# Altium PCB roach2.PcbDoc (part 38 of 39)
Units mil, origin at the board's own origin, x right, y up, seen from the top; angles counter-clockwise.
Board outline 12007.87 x 9606.3 mil, 16 copper layers (L1_TOP, L2_G, L3_S, L4_G, L5_S, L6_P, L7_G, L8_R, L9_R, L10_P, L11_P, L12_S, L13_P, L14_S, L15_G, L16_BOT), stack 81.651 mil thick; 1568 components, 1918 nets, 9251 pads, 6741 vias.
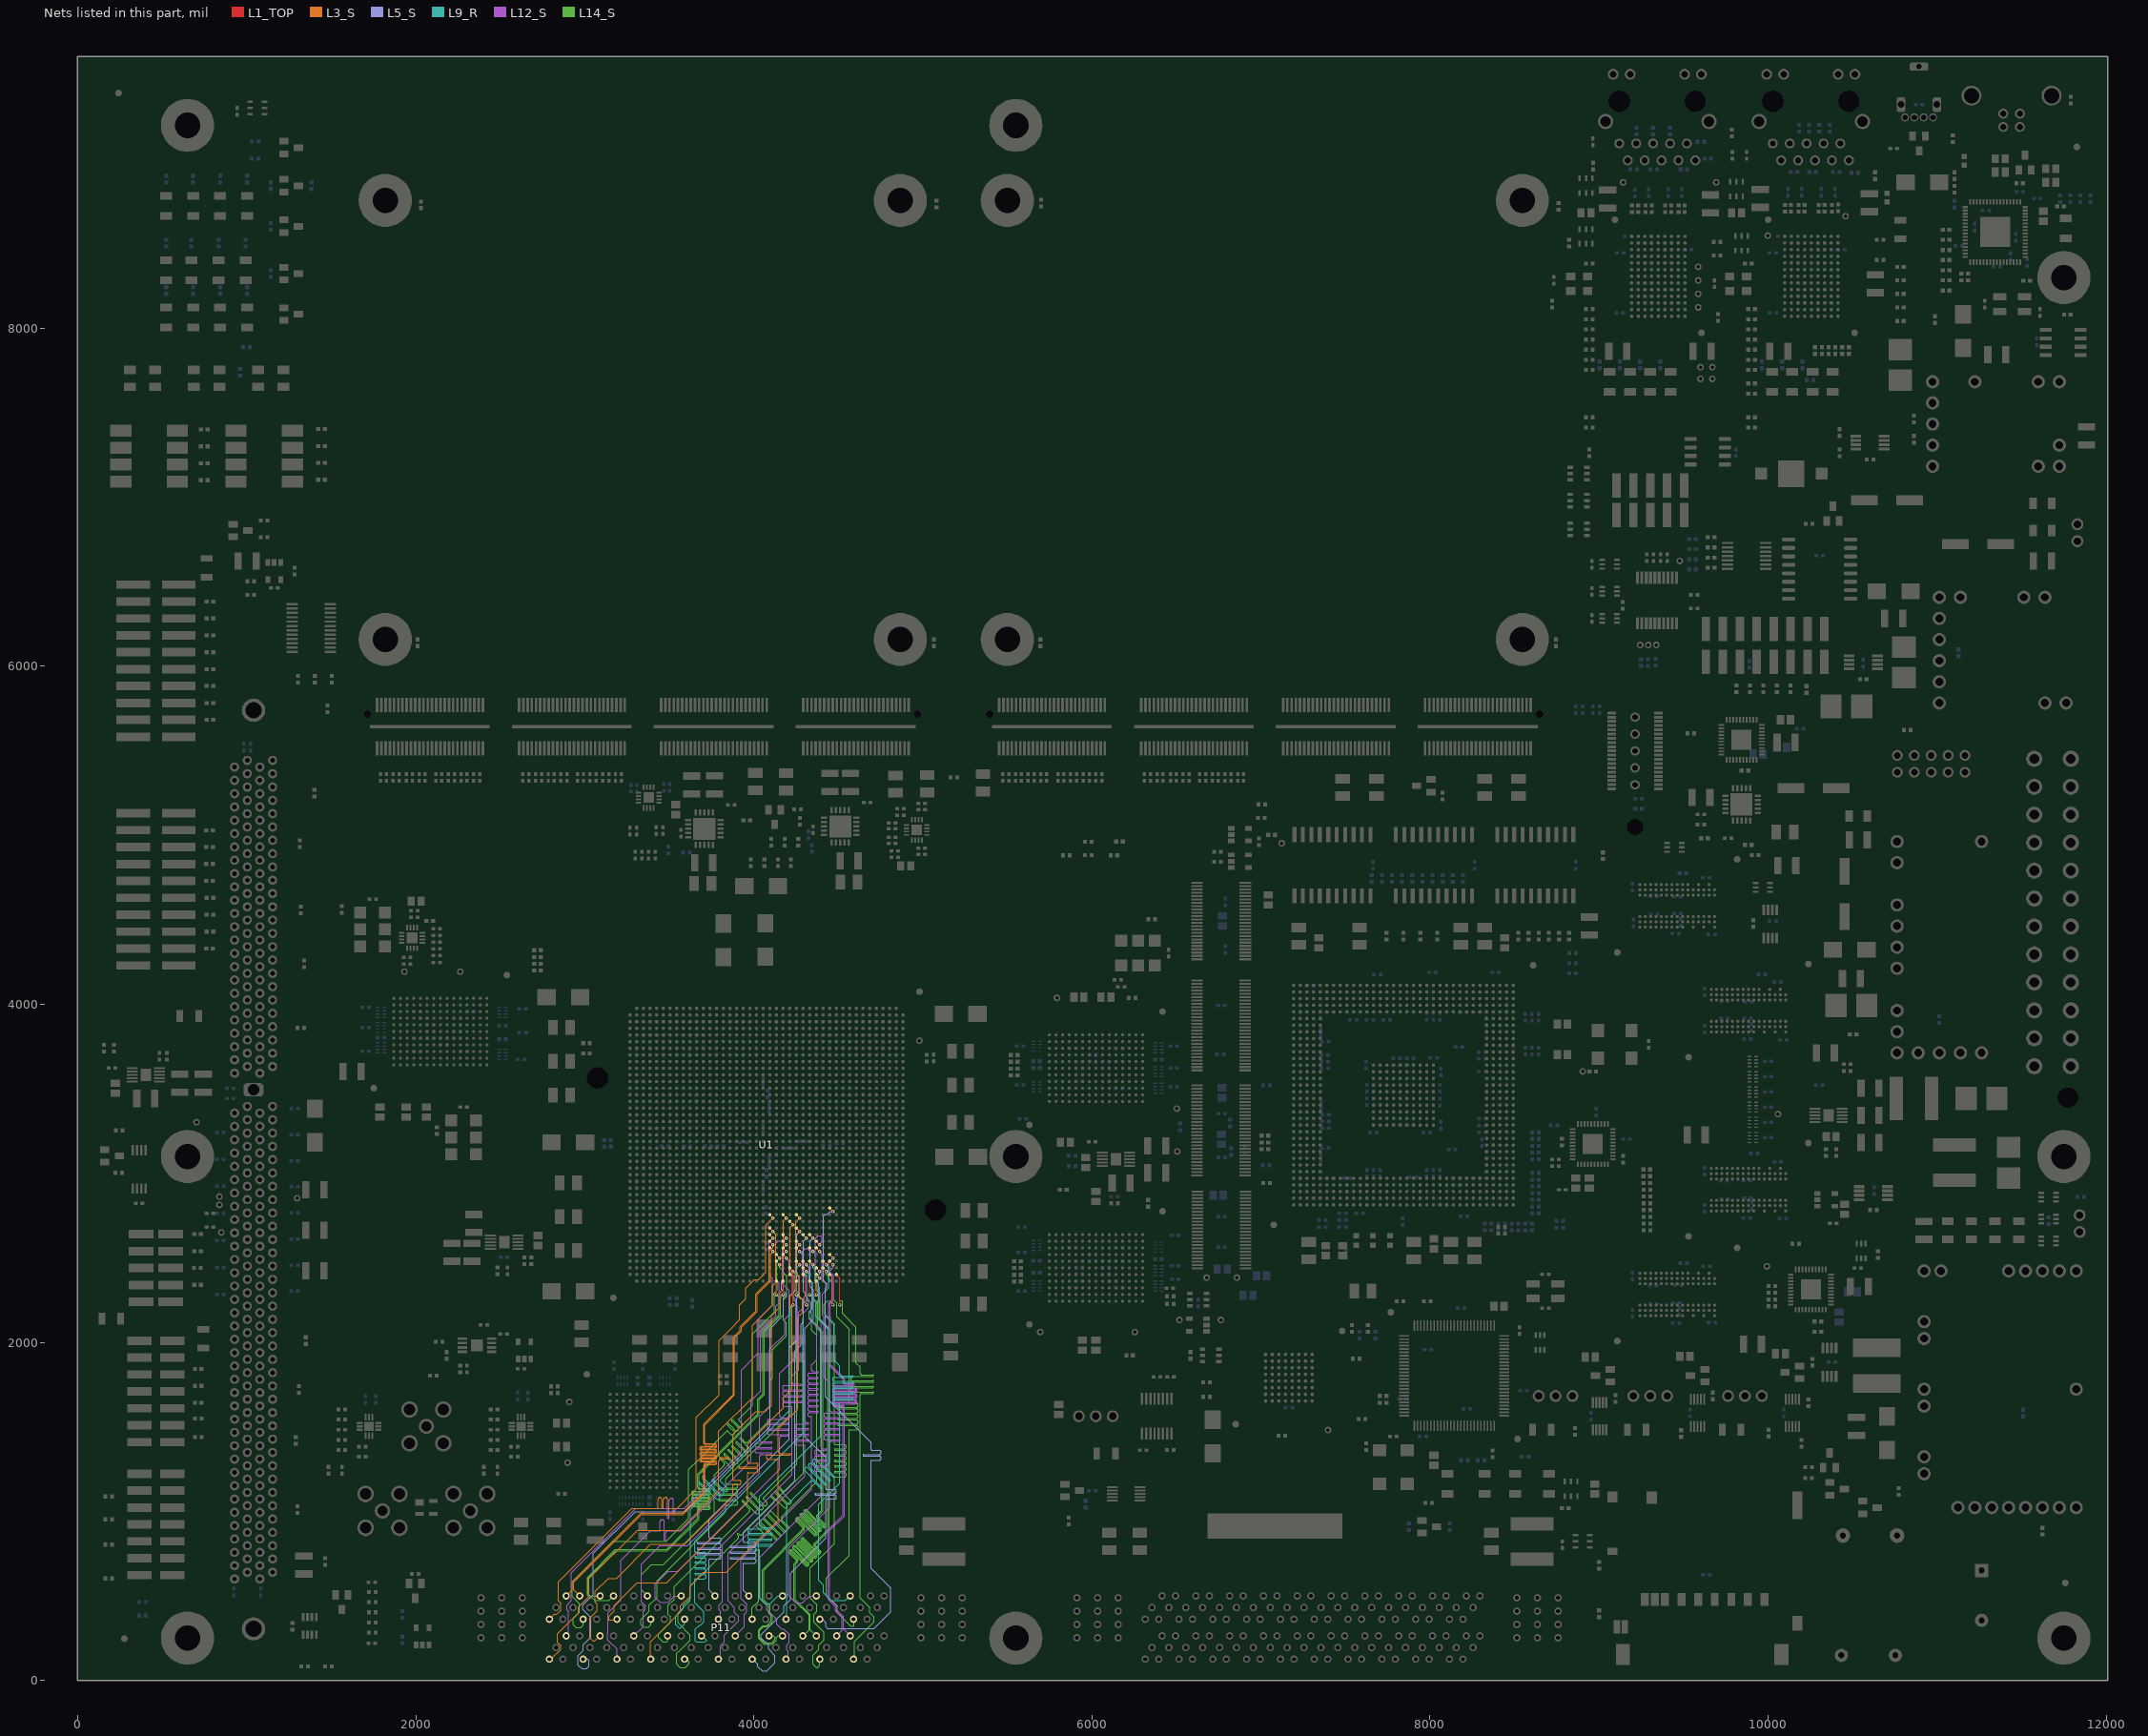
[diagram p52: the nets of this part, all layers, seen from the top]

## Via types
v1: diameter 19.4, hole 10, L1_TOP to L16_BOT, tented both sides, 3354 vias
v2: diameter 19.4, hole 10, L1_TOP to L16_BOT, 1954 vias
v3: diameter 19.4, hole 10, L1_TOP to L16_BOT, tented top, 429 vias
v4: diameter 18.6, hole 10, L1_TOP to L16_BOT, tented both sides, 311 vias
v5: diameter 59.06, hole 39.37, L1_TOP to L16_BOT, 217 vias
v6: diameter 19.4, hole 10.04, L1_TOP to L16_BOT, 125 vias
v7: diameter 19, hole 10, L1_TOP to L16_BOT, 93 vias
v8: diameter 19.4, hole 10, L1_TOP to L16_BOT, tented bottom, 80 vias
v9: diameter 25.98, hole 12.99, L1_TOP to L16_BOT, tented top, 55 vias
v10: diameter 20, hole 10, L1_TOP to L16_BOT, 53 vias
v11: diameter 59.06, hole 39.37, L1_TOP to L16_BOT, tented top, 44 vias
v12: diameter 20, hole 10, L1_TOP to L16_BOT, tented top, 16 vias
v13: diameter 19, hole 10, L1_TOP to L16_BOT, tented top, 5 vias
v14: diameter 25.98, hole 12.99, L1_TOP to L16_BOT, 4 vias
v15: diameter 50, hole 28, L1_TOP to L16_BOT, 1 vias

## Nets (pads, with @x,y where several pads share a name; then routed paths per layer and width w, separated by ;. In a path a pad name is that pad's centre, name@x,y a point inside that pad or via, vN(x,y) a via of type N, cw(c..) or ccw(c..) an arc to the next point about the centre after c; other vN are vias at no path point) (continued)
ZDOK1.DP_N26: P11.C14 U1.R42 | length 3382.1
  L1_TOP w5: v2(4329.81,2281.93) U1.R42@4329.81,2360.67
  L14_S w3.8: P11.C14@4169.92,263.78 4143.78,263.78 4132.79,252.79 4132.79,237.76 4110.22,215.19 4059.76,215.19 4027.19,247.76 4027.19,298.42 4053.76,324.99 4076.99,324.99 4102.99,350.99 4102.99,381.96 4086.99,397.96 4086.99,437.96 4051.19,473.76 4051.19,655.19 4291.35,895.35 ccw(c4288.24,898.46) 4292.64,898.46 ccw(c4288.24,898.46) 4291.35,901.58 4250.64,942.29 cw(c4259.26,950.92) 4250.63,959.55 cw(c4259.26,950.92) 4267.88,959.55 4361.07,866.37 ccw(c4364.18,869.48) 4367.29,866.37 ccw(c4364.18,869.48) 4368.58,869.48 ccw(c4364.18,869.48) 4367.29,872.59 4274.11,965.77 cw(c4282.73,974.4) 4274.11,983.03 cw(c4282.73,974.4) 4291.36,983.03 4384.54,889.84 ccw(c4387.65,892.95) 4390.76,889.84 ccw(c4387.65,892.95) 4392.05,892.95 ccw(c4387.65,892.95) 4390.76,896.07 4297.59,989.24 cw(c4306.21,997.87) 4297.58,1006.5 cw(c4306.21,997.87) 4314.83,1006.5 4361.42,959.91 4408.01,913.32 ccw(c4411.13,916.43) 4414.24,913.32 ccw(c4411.13,916.43) 4415.53,916.43 ccw(c4411.13,916.43) 4414.24,919.54 4371.98,961.8 cw(c4379.09,968.89) 4371.99,975.99 4401.99,1005.99 4401.99,2054.96 4368.99,2087.96 4368.99,2232.76 4345.99,2255.76 4345.99,2268.18 4331.03,2283.15 v2@4330.71,2283.46
ZDOK1.DP_N27: P11.C16 U1.P41 | length 3338.8
  L1_TOP w5: U1.P41@4369.18,2400.04 v1(4388.87,2380.35)
  L14_S w3.8: 4329.02,703.81 4244.73,788.1 ccw(c4241.61,784.99) 4238.5,788.1 ccw(c4241.61,784.99) 4238.5,781.88 4322.8,697.58 cw(c4314.17,688.96) 4326.37,688.96 cw(c4314.17,688.96) 4322.8,680.33 cw(c4314.17,688.96) 4305.55,680.33 4221.25,764.62 ccw(c4218.13,761.52) 4215.02,764.63 ccw(c4218.13,761.52) 4215.02,758.41 4257.6,715.83 cw(c4248.98,707.2) 4261.18,707.2 cw(c4248.98,707.2) 4257.6,698.57 4244.99,685.96 4244.99,476.99 4333.86,388.12 4333.86,299.84 P11.C16@4369.92,263.78 ; 4329.02,703.8 ccw(c4337.65,712.43) 4346.27,703.8 ccw(c4337.65,712.43) 4349.85,712.43 ccw(c4337.65,712.43) 4346.27,721.06 4261.98,805.35 cw(c4265.09,808.47) 4261.97,811.58 cw(c4265.09,808.47) 4268.2,811.58 4316.64,763.13 4352.49,727.28 ccw(c4361.12,735.91) 4369.75,727.28 ccw(c4361.12,735.91) 4373.32,735.91 ccw(c4361.12,735.91) 4369.75,744.53 4285.45,828.83 cw(c4288.56,831.94) 4285.45,835.05 cw(c4288.56,831.94) 4291.67,835.05 4340.12,786.61 ; 4340.12,786.6 4375.97,750.76 ; 4375.97,750.75 ccw(c4384.6,759.38) 4393.22,750.75 ccw(c4384.6,759.38) 4396.8,759.38 ccw(c4384.6,759.38) 4393.22,768.01 4363.24,797.99 cw(c4366.35,801.1) 4363.24,804.21 4423.51,864.48 4444.99,885.96 4444.99,2084.59 4393.59,2135.99 4393.59,2293.04 4373.99,2312.64 4373.99,2366.12 4388.55,2380.67 v1@4389.76,2381.89
ZDOK1.DP_N28: P11.C18 U1.M39 | length 3360.6
  L1_TOP w5: U1.M39@4447.92,2478.78 v1(4467.61,2459.09)
  L12_S w3.8: v1(4467.61,2459.09) 4467.61,2441.78 4452.01,2426.18 4452.01,2413.26 4471.69,2393.58 4471.69,2249.02 4449.99,2227.32 4449.99,2212.49 4452.79,2209.69 4452.79,2150.99 4452.99,2150.79 4452.99,1866.99 4534.79,1785.19 4534.79,1764.99 ccw(c4539.19,1764.99) 4539.19,1760.59 4582.67,1760.59 cw(c4582.67,1748.39) 4594.87,1748.39 cw(c4582.67,1748.39) 4582.67,1736.19 4479.4,1736.19 ccw(c4479.4,1731.79) 4479.4,1727.39 4598.98,1727.39 cw(c4598.98,1715.19) 4611.18,1715.19 cw(c4598.98,1715.19) 4598.98,1702.99 4479.4,1702.99 ccw(c4479.4,1698.59) 4479.4,1694.19 4598.98,1694.19 cw(c4598.98,1681.99) 4611.18,1681.99 cw(c4598.98,1681.99) 4598.98,1669.79 4479.4,1669.79 ccw(c4479.4,1665.39) 4479.4,1660.99 4598.98,1660.99 cw(c4598.98,1648.79) 4611.18,1648.79 cw(c4598.98,1648.79) 4598.98,1636.59 4479.4,1636.59 ccw(c4479.4,1632.19) 4479.4,1627.79 4522.59,1627.79 cw(c4522.59,1615.59) 4534.79,1615.59 4534.79,973.76 4448.51,887.48 4448.51,481.48 4490.79,439.19 4490.79,415.19 4529.28,376.71 4529.28,304.43 P11.C18@4569.92,263.78
ZDOK1.DP_N29: P11.F2 U1.AA37 | length 3358.7
  L1_TOP w5: U1.AA37@4093.59,2557.52 v1(4113.28,2537.83)
  L3_S w3.8: P11.F2@2969.92,500 2933.86,536.06 2933.86,580.83 3334.22,981.19 3580.22,981.19 3710.79,1111.76 3710.79,1272.19 cw(c3715.19,1272.19) 3715.19,1276.59 3768.38,1276.59 ccw(c3768.38,1288.79) 3780.58,1288.79 ccw(c3768.38,1288.79) 3768.38,1300.99 3691.6,1300.99 cw(c3691.6,1305.39) 3691.6,1309.79 3769.67,1309.79 ccw(c3769.67,1321.99) 3781.87,1321.99 ccw(c3769.67,1321.99) 3769.67,1334.19 3691.6,1334.19 cw(c3691.6,1338.59) 3691.6,1342.99 3768.38,1342.99 ccw(c3768.38,1355.19) 3780.58,1355.19 ccw(c3768.38,1355.19) 3768.38,1367.39 3691.6,1367.39 cw(c3691.6,1371.79) 3691.6,1376.19 3768.38,1376.19 ccw(c3768.38,1388.39) 3780.58,1388.39 ccw(c3768.38,1388.39) 3768.38,1400.59 3715.19,1400.59 cw(c3715.19,1404.99) 3710.79,1404.99 3710.79,1512.56 3885.99,1687.76 3885.99,2025.99 3926.49,2066.49 3926.49,2089.99 4018.93,2182.43 4018.93,2282.93 4097.68,2361.68 4097.68,2522.23 v1(4113.28,2537.83)
ZDOK1.DP_N30: P11.F4 U1.Y42 | length 3411.8
  L1_TOP w5: v2(4132.96,2281.93) U1.Y42@4132.96,2360.67
  L14_S w3.8: P11.F4@3169.92,500 3142.37,472.45 3061.54,472.45 3042.79,491.19 3029.76,491.19 3015.19,505.76 3015.19,610.22 3179.96,774.99 3484.99,774.99 3667.19,957.19 3667.19,1008.19 cw(c3679.39,1008.19) 3679.39,1020.39 3732.03,1020.39 ccw(c3732.03,1024.79) 3736.43,1024.79 ccw(c3732.03,1024.79) 3732.03,1029.19 3642.16,1029.19 cw(c3642.16,1041.39) 3642.16,1053.59 3732.03,1053.59 ccw(c3732.03,1057.99) 3736.43,1057.99 ccw(c3732.03,1057.99) 3732.03,1062.39 3642.16,1062.39 cw(c3642.16,1074.59) 3642.16,1086.79 3732.03,1086.79 ccw(c3732.03,1091.19) 3736.43,1091.19 ccw(c3732.03,1091.19) 3732.03,1095.59 3642.16,1095.59 cw(c3642.16,1107.79) 3642.16,1119.99 3732.03,1119.99 ccw(c3732.03,1124.39) 3736.43,1124.39 ccw(c3732.03,1124.39) 3732.03,1128.79 3679.39,1128.79 cw(c3679.39,1140.99) 3667.19,1140.99 3667.19,1221.19 4023.19,1577.19 4023.19,1663.19 4055.19,1695.19 4055.19,2068.19 4149.64,2162.64 4149.64,2267.68 4134.18,2283.15 v2@4133.86,2283.46
ZDOK1.DP_N31: P11.F6 U1.Y39 | length 3401.4
  L1_TOP w5: U1.Y39@4132.96,2478.78 v1(4152.65,2459.09)
  L14_S w3.8: P11.F6@3369.92,500 3333.86,536.06 3333.86,626.06 3392.99,685.19 3464.22,685.19 3766.99,987.96 3766.99,1213.96 3823.37,1270.34 ccw(c3814.75,1278.97) 3826.95,1278.97 ccw(c3814.75,1278.97) 3823.37,1287.6 3799.84,1311.13 cw(c3802.94,1314.25) 3799.83,1317.36 cw(c3802.94,1314.25) 3806.05,1317.36 3835.46,1287.96 ; 3835.47,1287.95 3861.87,1261.54 ccw(c3870.5,1270.17) 3879.13,1261.54 ccw(c3870.5,1270.17) 3882.7,1270.17 ccw(c3870.5,1270.17) 3879.13,1278.79 3823.31,1334.61 cw(c3826.42,1337.73) 3823.31,1340.84 cw(c3826.42,1337.73) 3829.53,1340.84 3858.94,1311.43 3885.35,1285.02 ; 3882.41,1334.91 3853,1364.31 ccw(c3849.89,1361.2) 3846.78,1364.31 ccw(c3849.89,1361.2) 3846.78,1358.09 3902.61,1302.27 cw(c3893.98,1293.64) 3906.18,1293.64 cw(c3893.98,1293.64) 3902.61,1285.01 cw(c3893.98,1293.64) 3885.35,1285.01 ; 3882.42,1334.9 3908.82,1308.49 ccw(c3917.45,1317.12) 3926.08,1308.49 ccw(c3917.45,1317.12) 3929.65,1317.12 ccw(c3917.45,1317.12) 3926.08,1325.74 3870.26,1381.56 cw(c3873.37,1384.68) 3870.26,1387.79 cw(c3873.37,1384.68) 3876.48,1387.79 3905.89,1358.38 3932.3,1331.97 ; 3929.36,1381.86 3899.96,1411.26 ccw(c3896.84,1408.15) 3893.73,1411.26 ccw(c3896.84,1408.15) 3893.73,1405.04 3949.56,1349.22 cw(c3940.93,1340.59) 3953.13,1340.59 cw(c3940.93,1340.59) 3949.56,1331.96 cw(c3940.93,1340.59) 3932.3,1331.96 ; 3929.37,1381.85 3955.77,1355.44 ccw(c3964.4,1364.07) 3973.03,1355.44 ccw(c3964.4,1364.07) 3976.6,1364.07 ccw(c3964.4,1364.07) 3973.03,1372.69 3917.21,1428.51 cw(c3920.32,1431.63) 3917.21,1434.74 cw(c3920.32,1431.63) 3923.43,1434.74 3946.97,1411.2 ccw(c3955.6,1419.82) 3964.23,1411.2 4048.51,1495.48 4094.99,1541.96 4094.99,1775.96 4109.99,1790.96 4109.99,1957.96 4191.22,2039.19 4191.22,2115.82 4176.42,2130.63 4176.42,2252.92 4195.73,2272.24 4195.73,2390.1 4169.14,2416.69 4169.14,2427.72 4153.54,2443.32 4153.54,2459.09 v1@4153.54,2460.63
ZDOK1.DP_N32: P11.F8 U1.W38 | length 3428.1
  L1_TOP w5: U1.W38@4172.33,2518.15 v1(4192.02,2498.46)
  L12_S w3.8: P11.F8@3569.92,500 3528.97,500 3492.16,463.19 3445.76,463.19 3417.19,491.76 3417.19,568.42 3493.76,644.99 3548.99,644.99 4152.71,1248.71 4152.71,1434.19 cw(c4164.91,1434.19) 4164.91,1446.39 4201.53,1446.39 ccw(c4201.53,1450.79) 4205.93,1450.79 ccw(c4201.53,1450.79) 4201.53,1455.19 4090.57,1455.19 cw(c4090.57,1467.39) 4090.57,1479.59 4201.53,1479.59 ccw(c4201.53,1483.99) 4205.93,1483.99 ccw(c4201.53,1483.99) 4201.53,1488.39 4090.57,1488.39 cw(c4090.57,1500.59) 4090.57,1512.79 4201.53,1512.79 ccw(c4201.53,1517.19) 4205.93,1517.19 ccw(c4201.53,1517.19) 4201.53,1521.59 4090.64,1521.59 cw(c4090.64,1533.79) 4090.64,1545.99 4201.53,1545.99 ccw(c4201.53,1550.39) 4205.93,1550.39 ccw(c4201.53,1550.39) 4201.53,1554.79 4164.91,1554.79 cw(c4164.91,1566.99) 4152.71,1566.99 4152.71,1815.71 4247.36,1910.36 4247.36,2252.55 4227.67,2272.24 4227.67,2390.35 4207.99,2410.03 4207.99,2482.49 v1(4192.02,2498.46)
ZDOK1.DP_N33: P11.F10 U1.U34 | length 3381.9
  L1_TOP w5: U1.U34@4251.07,2675.63 v1(4270.76,2655.94)
  L5_S w3.8: P11.F10@3769.92,500 3734.99,534.93 3734.99,714.19 cw(c3739.39,714.19) 3739.39,718.59 3794.47,718.59 ccw(c3794.47,730.79) 3806.67,730.79 ccw(c3794.47,730.79) 3794.47,742.99 3667.71,742.99 cw(c3667.71,747.39) 3667.71,751.79 3794.47,751.79 ccw(c3794.47,763.99) 3806.67,763.99 ccw(c3794.47,763.99) 3794.47,776.19 3667.71,776.19 cw(c3667.71,780.59) 3667.71,784.99 3794.47,784.99 ccw(c3794.47,797.19) 3806.67,797.19 ccw(c3794.47,797.19) 3794.47,809.39 3667.71,809.39 cw(c3667.71,813.79) 3667.71,818.19 3794.47,818.19 ccw(c3794.47,830.39) 3806.67,830.39 ccw(c3794.47,830.39) 3794.47,842.59 3739.39,842.59 cw(c3739.39,846.99) 3734.99,846.99 3734.99,953.96 4207.99,1426.96 4207.99,1839.99 ; 4207.99,1837.99 4207.99,1839.99 ; 4208.99,1840.99 4207.99,1839.99 ; v1(4270.76,2655.94) 4255.16,2640.34 4255.16,2413.26 4256.99,2411.42 4256.99,2389.99 4254.99,2387.99 4254.99,2300.07 4266.67,2288.39 4266.67,2275.47 4255.16,2263.95 4255.16,2216.41 4255.87,2215.7 4255.87,2016.84 4207.99,1968.96 4207.99,1839.99
ZDOK1.DP_N34: P11.F12 U1.T35 | length 3357.4
  L1_TOP w5: U1.T35@4290.44,2636.26 v1(4310.13,2616.57)
  L5_S w3.8: P11.F12@3969.92,500 3936.99,532.93 3936.99,690.19 cw(c3941.39,690.19) 3941.39,694.59 4002.79,694.59 ccw(c4002.79,706.79) 4014.99,706.79 ccw(c4002.79,706.79) 4002.79,718.99 3863.4,718.99 cw(c3863.4,723.39) 3863.4,727.79 4002.79,727.79 ccw(c4002.79,739.99) 4014.99,739.99 ccw(c4002.79,739.99) 4002.79,752.19 3863.4,752.19 cw(c3863.4,756.59) 3863.4,760.99 4002.79,760.99 ccw(c4002.79,773.19) 4014.99,773.19 ccw(c4002.79,773.19) 4002.79,785.39 3863.4,785.39 cw(c3863.4,789.79) 3863.4,794.19 4002.79,794.19 ccw(c4002.79,806.39) 4014.99,806.39 ccw(c4002.79,806.39) 4002.79,818.59 3941.39,818.59 cw(c3941.39,822.99) 3936.99,822.99 3936.99,875.96 4241.99,1180.96 4241.99,1947.99 4278.51,1984.51 4278.51,2106.48 4294.53,2122.49 4294.53,2234.09 4295.42,2234.99 4295.42,2264.85 4306.04,2275.47 4306.04,2288.39 4294.16,2300.27 4294.16,2600.6 v1(4310.13,2616.57)
ZDOK1.DP_N35: P11.F14 U1.T40 | length 3418.7
  L1_TOP w5: U1.T40@4290.44,2439.41 v1(4310.13,2419.72)
  L9_R w3.8: P11.F14@4169.92,500 4142,500 4097.19,455.19 4063.76,455.19 4035.19,483.76 4035.19,767.59 ccw(c4030.79,767.59) 4030.79,771.99 3975.28,771.99 cw(c3975.28,784.19) 3975.28,796.39 4102.91,796.39 ccw(c4102.91,800.79) 4107.31,800.79 ccw(c4102.91,800.79) 4102.91,805.19 3975.28,805.19 cw(c3975.28,817.39) 3975.28,829.59 4102.91,829.59 ccw(c4102.91,833.99) 4107.31,833.99 ccw(c4102.91,833.99) 4102.91,838.39 3975.28,838.39 cw(c3975.28,850.59) 3975.28,862.79 4102.91,862.79 ccw(c4102.91,867.19) 4107.31,867.19 ccw(c4102.91,867.19) 4102.91,871.59 3975.28,871.59 cw(c3975.28,883.79) 3975.28,895.99 4102.91,895.99 ccw(c4102.91,900.39) 4107.31,900.39 ccw(c4102.91,900.39) 4102.91,904.79 4047.39,904.79 cw(c4047.39,916.99) 4035.19,916.99 4035.19,1087.19 4395.19,1447.19 4395.19,2078.38 4326.81,2146.76 4326.81,2183.84 4345.78,2202.81 4345.78,2350.98 4326.1,2370.66 4326.1,2403.75 v1(4310.13,2419.72)
ZDOK1.DP_N36: P11.F16 U1.P37 | length 3413.4
  L1_TOP w5: U1.P37@4369.18,2557.52 v1(4388.87,2537.83)
  L12_S w3.8: P11.F16@4369.92,500 4328.97,500 4288.16,459.19 4249.76,459.19 4207.19,501.76 4207.19,783.19 4447.99,1023.99 4447.99,1403.79 cw(c4460.19,1403.79) 4460.19,1415.99 4506.22,1415.99 ccw(c4506.22,1420.39) 4510.62,1420.39 ccw(c4506.22,1420.39) 4506.22,1424.79 4425.76,1424.79 cw(c4425.76,1436.99) 4425.76,1449.19 4506.22,1449.19 ccw(c4506.22,1453.59) 4510.62,1453.59 ccw(c4506.22,1453.59) 4506.22,1457.99 4425.76,1457.99 cw(c4425.76,1470.19) 4425.76,1482.39 4506.22,1482.39 ccw(c4506.22,1486.79) 4510.62,1486.79 ccw(c4506.22,1486.79) 4506.22,1491.19 4425.76,1491.19 cw(c4425.76,1503.39) 4425.76,1515.59 4506.22,1515.59 ccw(c4506.22,1519.99) 4510.62,1519.99 ccw(c4506.22,1519.99) 4506.22,1524.39 4425.76,1524.39 cw(c4425.76,1536.59) 4425.76,1548.79 4506.22,1548.79 ccw(c4506.22,1553.19) 4510.62,1553.19 ccw(c4506.22,1553.19) 4506.22,1557.59 4425.76,1557.59 cw(c4425.76,1569.79) 4425.76,1581.99 4506.22,1581.99 ccw(c4506.22,1586.39) 4510.62,1586.39 ccw(c4506.22,1586.39) 4506.22,1590.79 4460.19,1590.79 cw(c4460.19,1602.99) 4447.99,1602.99 4447.99,1761.96 4416.19,1793.76 4416.19,2150.93 4405.36,2161.76 4405.36,2287.39 4426.69,2308.72 4426.69,2348.8 4404.84,2370.66 4404.84,2521.86 v1(4388.87,2537.83)
ZDOK1.DP_N37: P11.F18 U1.N39 | length 3413.8
  L1_TOP w5: U1.N39@4408.55,2478.78 v1(4428.24,2459.09)
  L9_R w3.8: v1(4428.24,2459.09) 4444.21,2443.12 4444.21,2322.74 4422.49,2301.02 4422.49,2158.26 4443.99,2136.76 4474.76,2105.99 4474.76,1895.09 4508.19,1861.66 4508.19,1814.99 ccw(c4520.39,1814.99) 4520.39,1802.79 4582.58,1802.79 cw(c4582.58,1798.39) 4586.98,1798.39 cw(c4582.58,1798.39) 4582.58,1793.99 4477.2,1793.99 ccw(c4477.2,1781.79) 4477.2,1769.59 4582.58,1769.59 cw(c4582.58,1765.19) 4586.98,1765.19 cw(c4582.58,1765.19) 4582.58,1760.79 4477.2,1760.79 ccw(c4477.2,1748.59) 4477.2,1736.39 4582.58,1736.39 cw(c4582.58,1731.99) 4586.98,1731.99 cw(c4582.58,1731.99) 4582.58,1727.59 4477.2,1727.59 ccw(c4477.2,1715.39) 4477.2,1703.19 4582.58,1703.19 cw(c4582.58,1698.79) 4586.98,1698.79 cw(c4582.58,1698.79) 4582.58,1694.39 4477.2,1694.39 ccw(c4477.2,1682.19) 4477.2,1669.99 4582.58,1669.99 cw(c4582.58,1665.59) 4586.98,1665.59 cw(c4582.58,1665.59) 4582.58,1661.19 4477.2,1661.19 ccw(c4477.2,1648.99) 4477.2,1636.79 4503.79,1636.79 cw(c4503.79,1632.39) 4508.19,1632.39 4508.19,1168.19 4382.71,1042.71 4382.71,592.25 4411.48,563.48 4411.48,518.51 4457.54,472.45 4542.37,472.45 P11.F18@4569.92,500
ZDOK1.DP_P0: P11.A1 U1.AA34 | length 3393
  L1_TOP w5: U1.AA34@4093.59,2675.63 v1(4113.28,2655.94)
  L3_S w3.8: P11.A1@2790.2,125.98 2800.03,125.98 2857.51,183.47 2857.51,206.3 2838.99,224.82 2838.99,274.79 2963.19,398.99 2963.19,433.19 3025.19,495.19 3025.19,602.22 3311.96,888.99 3560.99,888.99 3792.99,1120.99 3792.99,1297.79 cw(c3805.19,1297.79) 3805.19,1309.99 3849.19,1309.99 ccw(c3849.19,1314.39) 3853.59,1314.39 ccw(c3849.19,1314.39) 3849.19,1318.79 3805.19,1318.79 cw(c3805.19,1330.99) 3792.99,1330.99 3792.99,1473.79 3992.19,1672.99 3992.19,2101.22 4109.56,2218.59 4109.56,2336.09 4129.25,2355.78 4129.25,2639.97 v1(4113.28,2655.94)
ZDOK1.DP_P1: P11.A3 U1.W37 | length 3374.6
  L1_TOP w5: U1.W37@4172.33,2557.52 v1(4192.02,2537.83)
  L5_S w3.8: P11.A3@2990.2,125.98 3016,125.98 3024.99,116.99 3024.99,82.99 3010.99,68.99 2980.99,68.99 2958.79,91.19 2958.79,146.33 2990.99,178.53 2990.99,209.96 3036.99,255.96 3036.99,370.99 2986.99,420.99 2986.99,443.96 3050.99,507.96 3050.99,752.99 3297.19,999.19 3592.22,999.19 4096.79,1503.76 4096.79,2081.89 4176.42,2161.52 4176.42,2263.95 4187.93,2275.47 4187.93,2288.39 4164.53,2311.79 4164.53,2359.14 4176.05,2370.66 4176.05,2522.5 4191.7,2538.15 v1@4192.91,2539.37
ZDOK1.DP_P2: P11.A5 U1.W35 | length 3347.2
  L1_TOP w5: U1.W35@4172.33,2636.26 v1(4192.02,2616.57)
  L12_S w3.8: P11.A5@3190.2,125.98 3190.2,184.65 3134.57,240.28 3134.57,278.42 3137.19,281.05 3137.19,399.19 3213.19,475.19 3213.19,710.76 3387.43,884.99 3440.99,884.99 ccw(c3440.99,889.39) 3445.39,889.39 3445.39,939.36 cw(c3457.59,939.36) 3469.79,939.36 3469.79,832.42 ccw(c3474.19,832.42) 3478.59,832.42 3478.59,872.79 cw(c3490.79,872.79) 3490.79,884.99 3568.99,884.99 3982.99,1298.99 3982.99,1653.99 4040.99,1711.99 4040.99,2067.84 4130.14,2156.99 4130.14,2213.67 4148.93,2232.46 4148.93,2350.98 4129.25,2370.66 4129.25,2586.9 4142.95,2600.6 4176.05,2600.6 v1(4192.02,2616.57)
ZDOK1.DP_P3: P11.A7 U1.U32 | length 3383.4
  L1_TOP w5: U1.U32@4251.07,2754.37 v1(4270.76,2734.68)
  L3_S w3.8: P11.A7@3390.2,125.98 3386.99,129.19 3386.99,228.79 3565.19,406.99 3565.19,441.19 3621.19,497.19 3621.19,558.42 3701.76,638.99 3836.99,638.99 4147.48,949.48 4144.71,952.25 4144.71,1305.19 ccw(c4140.31,1305.19) 4140.31,1309.59 4085.24,1309.59 cw(c4085.24,1321.79) 4085.24,1333.99 4211.98,1333.99 ccw(c4211.98,1338.39) 4216.38,1338.39 ccw(c4211.98,1338.39) 4211.98,1342.79 4156.91,1342.79 cw(c4156.91,1354.99) 4144.71,1354.99 4144.71,1488.71 4249.19,1593.19 4259.19,1603.19 4259.19,2149.72 4286.73,2177.26 4286.73,2252.55 4267.04,2272.24 4267.04,2390.35 4247.36,2410.03 4247.36,2711.28 v1(4270.76,2734.68)
ZDOK1.DP_P4: P11.A9 U1.U42 | length 3347.1
  L1_TOP w5: v2(4251.07,2281.93) U1.U42@4251.07,2360.67
  L14_S w3.8: 3544.56,159.53 3542.99,157.96 3542.99,96.99 3562.99,76.99 3594.99,76.99 3616.99,98.99 3616.99,110.99 3602,125.98 P11.A9@3590.2,125.98 ; 3544.6,159.53 3565.31,180.24 ; 3565.31,180.28 3622.99,237.96 3622.99,268.99 3550.99,340.99 3550.99,399.96 3622.99,471.96 3622.99,555.96 3907.27,840.24 ccw(c3898.64,848.86) 3910.84,848.86 ccw(c3898.64,848.86) 3907.27,857.49 3902.6,862.15 cw(c3905.71,865.27) 3902.6,868.38 cw(c3905.71,865.27) 3908.82,868.38 3913.49,863.71 ccw(c3922.11,872.34) 3930.74,863.71 4007.51,940.48 4119.12,1052.09 ccw(c4110.49,1060.72) 4122.69,1060.72 ccw(c4110.49,1060.72) 4119.12,1069.34 4099.83,1088.63 cw(c4102.95,1091.74) 4099.83,1094.85 cw(c4102.95,1091.74) 4106.06,1094.85 4177.96,1022.94 ccw(c4186.59,1031.57) 4195.21,1022.94 ccw(c4186.59,1031.57) 4198.79,1031.57 ccw(c4186.59,1031.57) 4195.21,1040.2 4123.31,1112.1 cw(c4126.42,1115.21) 4123.31,1118.32 cw(c4126.42,1115.21) 4129.53,1118.32 4201.44,1046.42 ccw(c4210.06,1055.04) 4218.69,1046.42 ccw(c4210.06,1055.04) 4222.26,1055.04 ccw(c4210.06,1055.04) 4218.69,1063.67 4146.78,1135.58 cw(c4149.9,1138.69) 4146.78,1141.8 cw(c4149.9,1138.69) 4153.01,1141.8 4172.29,1122.51 ccw(c4180.92,1131.14) 4189.54,1122.51 4287.51,1220.48 4293.79,1226.76 4293.79,2253.22 4287.22,2259.79 4274.99,2259.79 4251.97,2282.82 v2@4251.97,2283.46
ZDOK1.DP_P5: P11.A11 U1.R37 | length 3410.4
  L1_TOP w5: U1.R37@4329.81,2557.52 v1(4349.5,2537.83)
  L12_S w3.8: P11.A11@3790.2,125.98 3802.41,138.19 3802.41,206.3 3825.19,229.08 3825.19,267.19 3911.48,353.48 3911.48,377.48 3884.99,403.96 3884.99,431.96 3847.19,469.76 3847.19,753.19 4286.36,1192.36 4302.19,1208.19 4302.19,1387.59 ccw(c4297.79,1387.59) 4297.79,1391.99 4254.99,1391.99 cw(c4254.99,1404.19) 4254.99,1416.39 4321.19,1416.39 ccw(c4321.19,1420.79) 4325.59,1420.79 ccw(c4321.19,1420.79) 4321.19,1425.19 4254.99,1425.19 cw(c4254.99,1437.39) 4254.99,1449.59 4321.19,1449.59 ccw(c4321.19,1453.99) 4325.59,1453.99 ccw(c4321.19,1453.99) 4321.19,1458.39 4254.99,1458.39 cw(c4254.99,1470.59) 4254.99,1482.79 4321.19,1482.79 ccw(c4321.19,1487.19) 4325.59,1487.19 ccw(c4321.19,1487.19) 4321.19,1491.59 4254.99,1491.59 cw(c4254.99,1503.79) 4254.99,1515.99 4321.19,1515.99 ccw(c4321.19,1520.39) 4325.59,1520.39 ccw(c4321.19,1520.39) 4321.19,1524.79 4314.39,1524.79 cw(c4314.39,1536.99) 4302.19,1536.99 4302.19,1885.9 4294.76,1893.32 4294.76,2174.3 4325.83,2205.36 4325.83,2252.82 4306.41,2272.24 4306.41,2390.35 4286.73,2410.03 4286.73,2536.5 4303.66,2553.43 4316.59,2553.43 4332.19,2537.83 v1(4349.5,2537.83)